# Altium PCB PCB2-v2.PcbDoc (part 6 of 8)
Units mil, origin at the board's own origin, x right, y up, seen from the top; angles counter-clockwise.
Board outline 4330.71 x 4330.71 mil, 2 copper layers (Top Layer, Bottom Layer); 153 components, 127 nets, 575 pads, 933 vias.
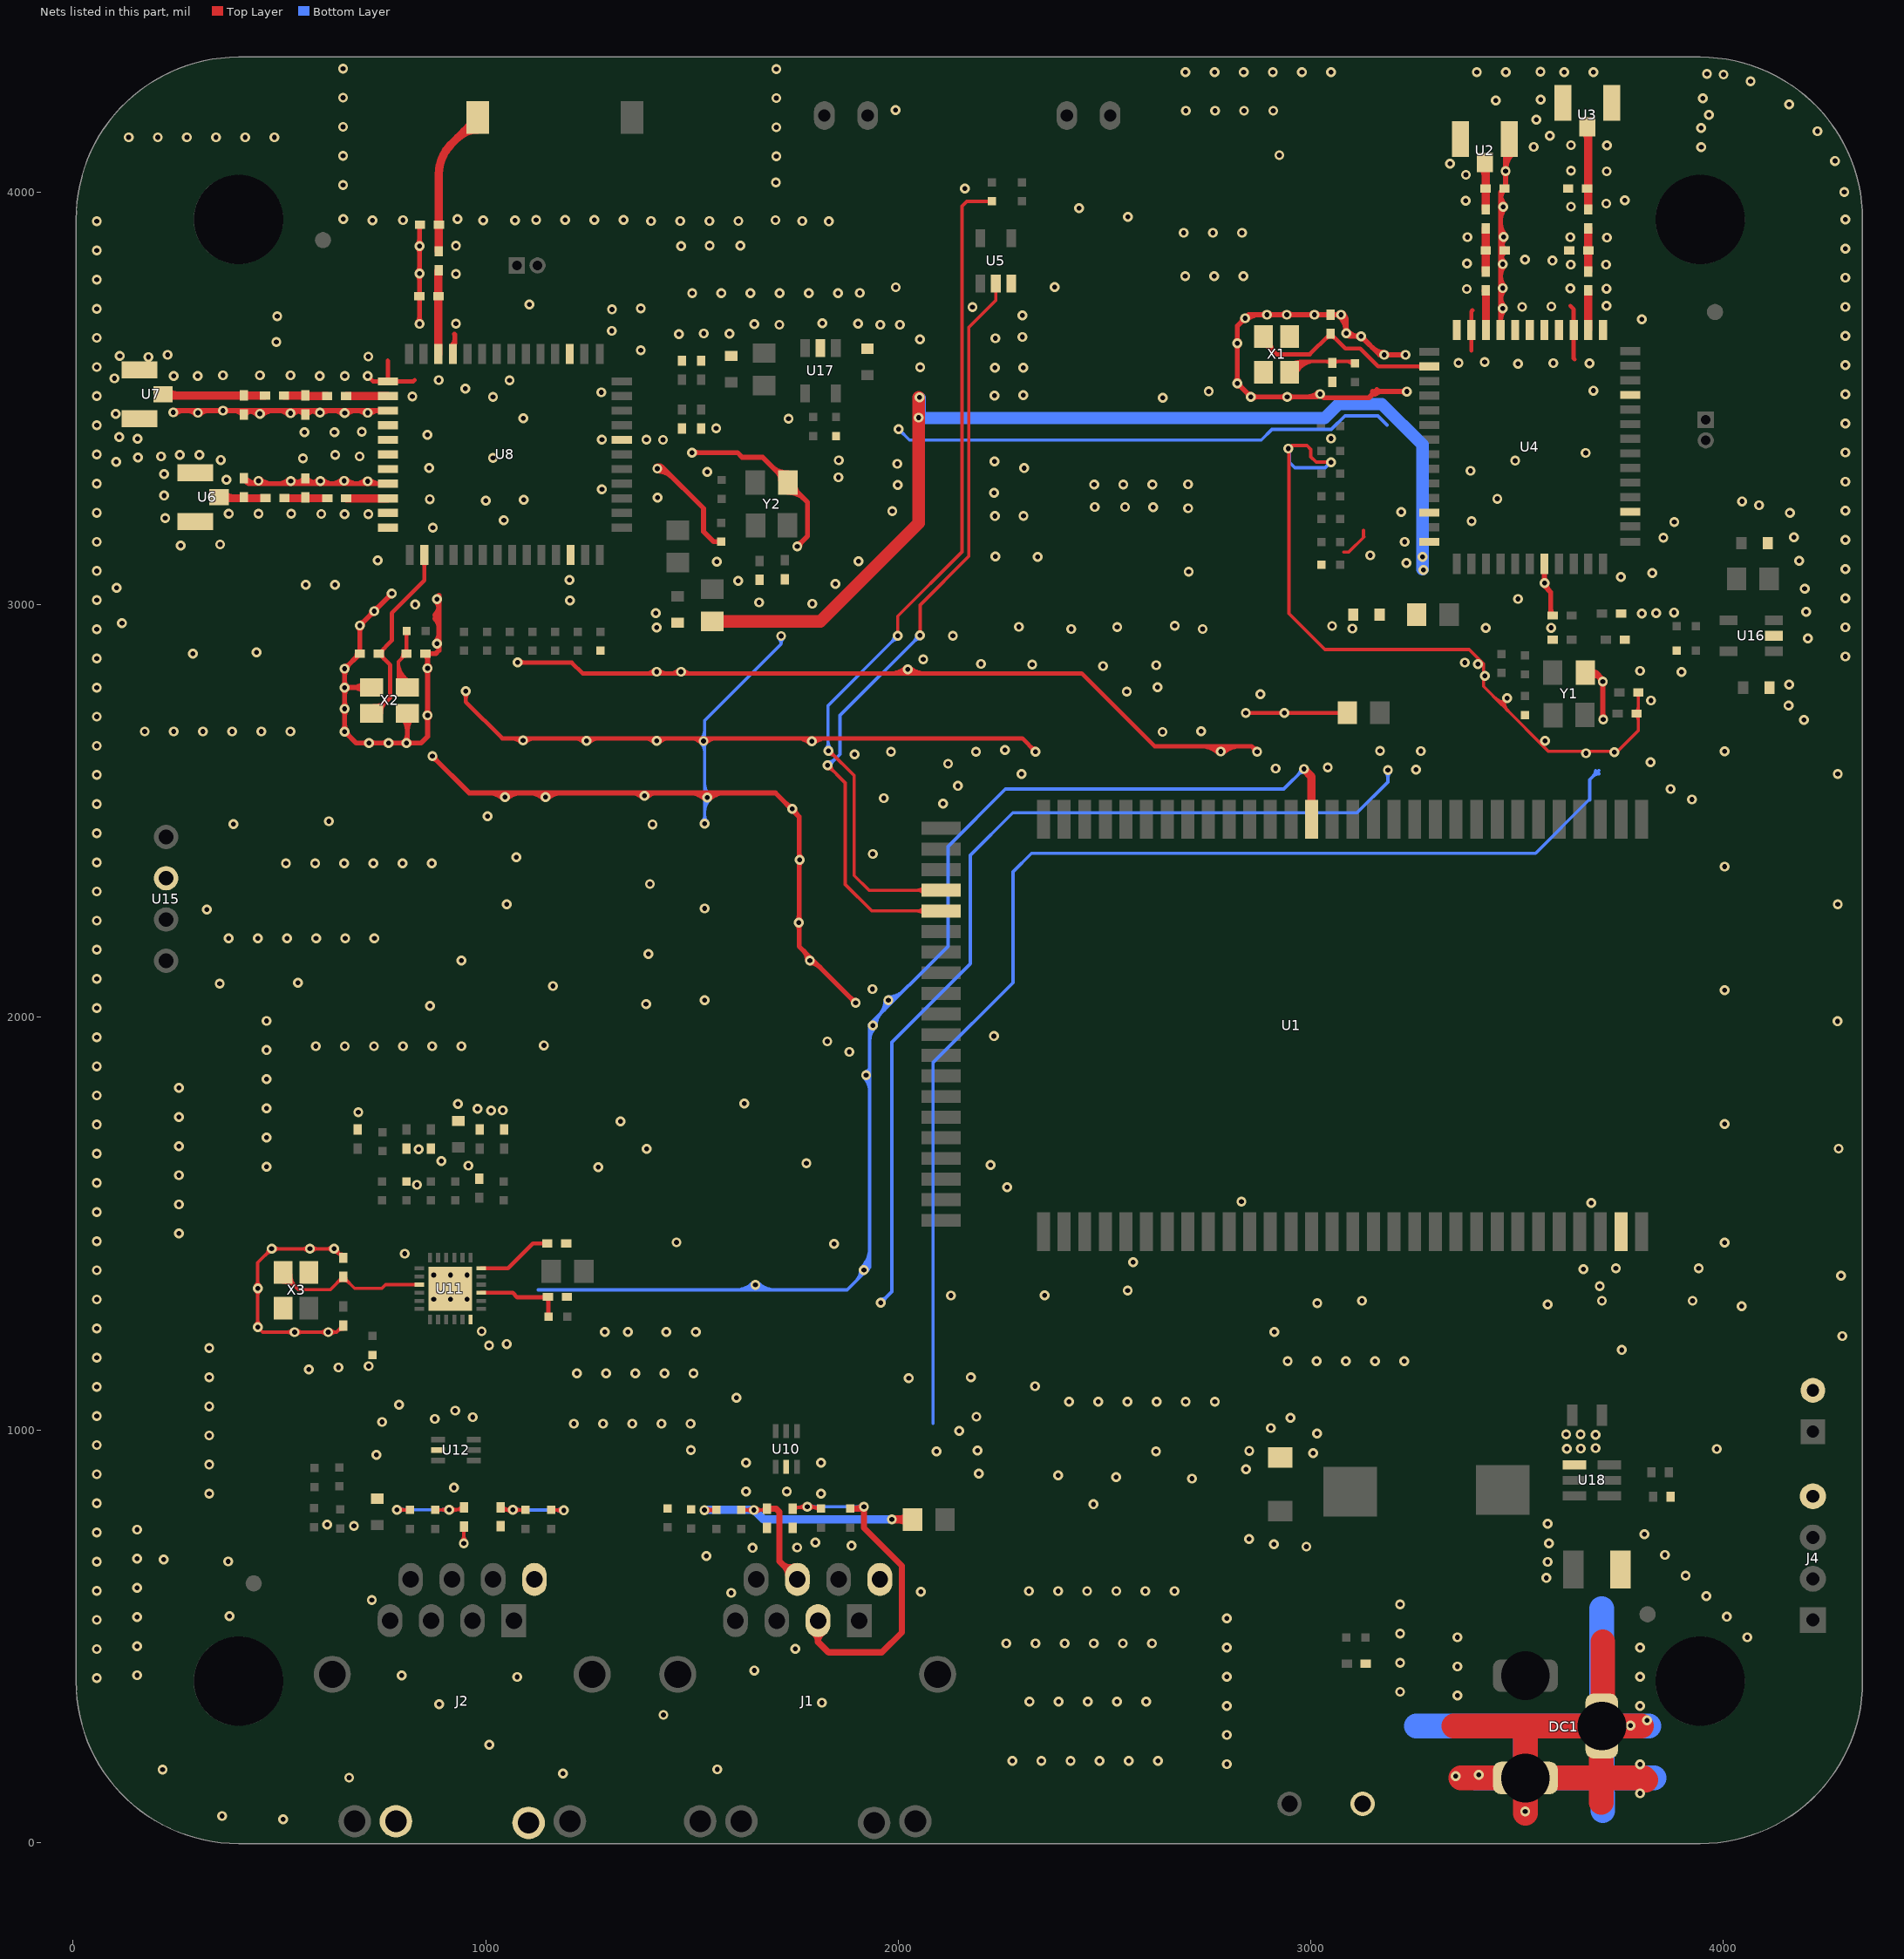
[diagram p6: the nets of this part, all layers, seen from the top]

## Via types
v1: diameter 24, hole 12, Top Layer to Bottom Layer, tented both sides, 931 vias
v2: diameter 78.74, hole 51.18, Top Layer to Bottom Layer, 2 vias

## Nets (pads, with @x,y where several pads share a name; then routed paths per layer and width w, separated by ;. In a path a pad name is that pad's centre, name@x,y a point inside that pad or via, vN(x,y) a via of type N, cw(c..) or ccw(c..) an arc to the next point about the centre after c; other vN are vias at no path point) (continued)
GND: (continued)
  Bottom Layer w8: 1127.4,1339.29 1344.21,1339.29 ; 1344.28,1339.22 1876.02,1339.22 1930.87,1394.07 ; v1(1530.66,2469.68) 1530.66,2719.43 1715.62,2904.39 ; v1@1715.62,2925.91 1715.62,2904.39 ; 1930.85,1880.3 1930.85,1982.59 2120.5,2172.24 2120.5,2414 2259.63,2553.13 2934.68,2553.13 v1(2983.41,2601.86) ; v1(1957.24,1307.95) 1984.22,1334.93 1984.22,1939.35 2174.84,2129.98 2174.84,2392.97 2277.57,2495.69 3112.23,2495.69 3186.99,2570.44 v1(3186.99,2599.54) ; v1(2001.16,3425.35) 2027.34,3399.18 2879.89,3399.18 2905.68,3424.97 3049.63,3424.97 3082.7,3458.04 3162.65,3458.04 3184.88,3435.81 ; 2084.1,1015.94 2084.1,1889.76 2277.98,2083.63 2277.98,2352.48 2323.22,2397.72 3544.81,2397.72 3673.68,2526.59 3676.64,2526.59 3675.96,2527.26 3675.96,2575.95 3698.35,2598.34 ; 2947.89,3366.33 2947.89,3345.43 2961.25,3332.06 3034.53,3332.06 v1@3046.36,3343.89 ; 3690.36,2598.34 cw(c3671.04,2598.34) 3684.7,2584.69 cw(c3698.35,2571.03) 3698.35,2590.34 ; v1@1522.42,2663.98 cw(c1502.52,2644.07) 1530.66,2644.07 ; v1@1522.42,2663.98 cw(c1502.52,2644.07) 1530.66,2644.07 ; v1@1522.42,2663.98 cw(c1502.52,2644.07) 1530.66,2644.07 ; v1@1522.42,2675.29 ccw(c1502.52,2695.19) 1530.66,2695.19 ; v1@1522.42,2675.29 ccw(c1502.52,2695.19) 1530.66,2695.19 ; v1@1522.42,2675.29 ccw(c1502.52,2695.19) 1530.66,2695.19 ; v1@1525,2475.34 ccw(c1511.35,2488.99) 1530.66,2488.99 ; v1@1525,2475.34 ccw(c1511.35,2488.99) 1530.66,2488.99 ; v1@1525,2475.34 ccw(c1511.35,2488.99) 1530.66,2488.99 ; 1530.66,2488.99 ccw(c1549.97,2488.99) v1@1536.32,2475.34 ; 1530.66,2488.99 ccw(c1549.97,2488.99) v1@1536.32,2475.34 ; 1530.66,2488.99 ccw(c1549.97,2488.99) v1@1536.32,2475.34 ; 1530.66,2498.73 cw(c1570.49,2498.73) v1@1542.33,2526.89 ; 1530.66,2498.73 cw(c1570.49,2498.73) v1@1542.33,2526.89 ; 1530.66,2498.73 cw(c1570.49,2498.73) v1@1542.33,2526.89 ; 1530.66,2518.04 cw(c1551.17,2518.04) v1(1536.67,2532.54) ; 1530.66,2518.04 cw(c1551.17,2518.04) v1(1536.67,2532.54) ; 1530.66,2518.04 cw(c1551.17,2518.04) v1(1536.67,2532.54) ; 1530.66,2547.05 ccw(c1551.17,2547.05) v1(1536.67,2532.54) ; 1530.66,2547.05 ccw(c1551.17,2547.05) v1(1536.67,2532.54) ; 1530.66,2547.05 ccw(c1551.17,2547.05) v1(1536.67,2532.54) ; 1530.66,2566.36 ccw(c1570.49,2566.36) v1@1542.33,2538.2 ; 1530.66,2566.36 ccw(c1570.49,2566.36) v1@1542.33,2538.2 ; 1530.66,2566.36 ccw(c1570.49,2566.36) v1@1542.33,2538.2 ; 1530.66,2656.56 cw(c1541.14,2656.56) v1@1533.73,2663.98 ; 1530.66,2656.56 cw(c1541.14,2656.56) v1@1533.73,2663.98 ; 1530.66,2656.56 cw(c1541.14,2656.56) v1@1533.73,2663.98 ; 1530.66,2682.7 ccw(c1541.14,2682.7) v1@1533.73,2675.29 ; 1530.66,2682.7 ccw(c1541.14,2682.7) v1@1533.73,2675.29 ; 1530.66,2682.7 ccw(c1541.14,2682.7) v1@1533.73,2675.29 ; 1605.34,1339.22 ccw(c1605.34,1399.75) v1@1648.14,1356.95 ; 1605.34,1339.22 ccw(c1605.34,1399.75) v1@1648.14,1356.95 ; 1605.34,1339.22 ccw(c1605.34,1399.75) v1@1648.14,1356.95 ; 1624.66,1339.22 ccw(c1624.66,1380.44) v1(1653.8,1351.29) ; 1624.66,1339.22 ccw(c1624.66,1380.44) v1(1653.8,1351.29) ; 1624.66,1339.22 ccw(c1624.66,1380.44) v1(1653.8,1351.29) ; 1642.49,1339.98 ccw(c1644.32,1341.81) 1644.32,1339.22 ; 1642.49,1339.98 ccw(c1644.32,1341.81) 1644.32,1339.22 ; 1642.49,1339.98 ccw(c1644.32,1341.81) 1644.32,1339.22 ; 1643.97,1339.22 ccw(c1643.97,1361.12) v1@1659.46,1345.64 ; 1643.97,1339.22 ccw(c1643.97,1361.12) v1@1659.46,1345.64 ; 1643.97,1339.22 ccw(c1643.97,1361.12) v1@1659.46,1345.64 ; v1@1648.14,1345.64 ccw(c1663.63,1361.12) 1663.63,1339.22 ; v1@1648.14,1345.64 ccw(c1663.63,1361.12) 1663.63,1339.22 ; v1@1648.14,1345.64 ccw(c1663.63,1361.12) 1663.63,1339.22 ; v1(1653.8,1351.29) ccw(c1682.94,1380.44) 1682.94,1339.22 ; v1(1653.8,1351.29) ccw(c1682.94,1380.44) 1682.94,1339.22 ; v1(1653.8,1351.29) ccw(c1682.94,1380.44) 1682.94,1339.22 ; v1@1659.46,1356.95 ccw(c1702.26,1399.75) 1702.26,1339.22 ; v1@1659.46,1356.95 ccw(c1702.26,1399.75) 1702.26,1339.22 ; v1@1659.46,1356.95 ccw(c1702.26,1399.75) 1702.26,1339.22 ; 1663.28,1339.22 ccw(c1663.28,1341.81) 1665.11,1339.98 ; 1663.28,1339.22 ccw(c1663.28,1341.81) 1665.11,1339.98 ; 1663.28,1339.22 ccw(c1663.28,1341.81) 1665.11,1339.98 ; 1715.62,2904.38 cw(c1735.27,2904.38) 1721.68,2918.57 ccw(c1735.27,2904.38) 1715.62,2904.38 ; 1897.59,1360.79 ccw(c1870.83,1387.54) v1@1908.67,1387.54 ; 1897.59,1360.79 ccw(c1870.83,1387.54) v1@1908.67,1387.54 ; 1897.59,1360.79 ccw(c1870.83,1387.54) v1@1908.67,1387.54 ; v1@1911.01,1393.2 ccw(c1863.07,1441.14) 1930.87,1441.14 ; v1@1911.01,1393.2 ccw(c1863.07,1441.14) 1930.87,1441.14 ; v1@1911.01,1393.2 ccw(c1863.07,1441.14) 1930.87,1441.14 ; 1911.24,1374.45 ccw(c1898.15,1387.54) v1(1916.67,1387.54) ; 1911.24,1374.45 ccw(c1898.15,1387.54) v1(1916.67,1387.54) ; 1911.24,1374.45 ccw(c1898.15,1387.54) v1(1916.67,1387.54) ; v1@1916.43,1854.36 cw(c1881.57,1819.5) 1930.87,1819.5 ; v1@1916.43,1854.36 cw(c1881.57,1819.5) 1930.87,1819.5 ; v1@1916.43,1854.36 cw(c1881.57,1819.5) 1930.87,1819.5 ; v1(1916.67,1387.54) ccw(c1882.38,1421.83) 1930.87,1421.83 ; v1(1916.67,1387.54) ccw(c1882.38,1421.83) 1930.87,1421.83 ; v1(1916.67,1387.54) ccw(c1882.38,1421.83) 1930.87,1421.83 ; v1@1920.6,1867.88 ccw(c1918.24,1880.28) 1930.87,1880.28 ; v1@1920.6,1867.88 ccw(c1918.24,1880.28) 1930.87,1880.28 ; v1@1920.6,1867.88 ccw(c1918.24,1880.28) 1930.87,1880.28 ; v1@1921.81,1393.67 ccw(c1926.12,1398.82) 1930.87,1394.07 ; v1@1921.81,1393.67 ccw(c1926.12,1398.82) 1930.87,1394.07 ; v1@1921.81,1393.67 ccw(c1926.12,1398.82) 1930.87,1394.07 ; v1(1922.09,1860.02) cw(c1900.88,1838.81) 1930.87,1838.81 ; v1(1922.09,1860.02) ccw(c1920.08,1870.62) 1930.87,1870.62 ; v1(1922.09,1860.02) ccw(c1920.08,1870.62) 1930.87,1870.62 ; v1(1922.09,1860.02) cw(c1900.88,1838.81) 1930.87,1838.81 ; v1(1922.09,1860.02) ccw(c1920.08,1870.62) 1930.87,1870.62 ; v1(1922.09,1860.02) cw(c1900.88,1838.81) 1930.87,1838.81 ; v1@1922.33,1381.89 ccw(c1901.7,1402.52) 1930.87,1402.52 ; v1@1922.33,1381.89 ccw(c1901.7,1402.52) 1930.87,1402.52 ; v1@1922.33,1381.89 ccw(c1901.7,1402.52) 1930.87,1402.52 ; 1930.87,1394.07 1930.87,1880.28 ; v1(1938.33,1980.48) ccw(c1956.37,1962.44) 1930.85,1962.44 cw(c1956.37,1962.44) v1(1938.33,1980.48) ; v1(1938.33,1980.48) cw(c1961.47,1980.48) 1945.1,1996.85 ccw(c1961.47,1980.48) v1(1938.33,1980.48) ; 1970.89,1321.61 ccw(c1984.55,1307.95) 1965.24,1307.95 cw(c1984.55,1307.95) 1970.89,1321.61 ; 1970.89,1321.61 cw(c1957.24,1335.26) 1957.24,1315.95 ccw(c1957.24,1335.26) 1970.89,1321.61 ; v1(1975.99,2041.56) ccw(c1975.99,2074.93) 1999.59,2051.33 cw(c1975.99,2074.93) v1(1975.99,2041.56) ; v1(1975.99,2041.56) cw(c1942.62,2041.56) 1966.22,2017.96 ccw(c1942.62,2041.56) v1(1975.99,2041.56) ; 2969.75,2588.2 cw(c2983.41,2574.55) v1@2983.41,2593.86 ; 2969.75,2588.2 ccw(c2956.1,2601.86) v1@2975.41,2601.86 ; 2969.75,2588.2 cw(c2983.41,2574.55) v1@2983.41,2593.86 ; 2969.75,2588.2 ccw(c2956.1,2601.86) v1@2975.41,2601.86 ; 2969.75,2588.2 ccw(c2956.1,2601.86) v1@2975.41,2601.86 ; 2969.75,2588.2 cw(c2983.41,2574.55) v1@2983.41,2593.86 ; 2969.75,2588.2 ccw(c2956.1,2601.86) v1@2975.41,2601.86 ; 2969.75,2588.2 cw(c2983.41,2574.55) v1@2983.41,2593.86 ; 3186.99,2580.23 ccw(c3167.67,2580.23) 3181.33,2593.88 cw(c3167.67,2580.23) 3186.99,2580.23 ; 3186.99,2580.23 cw(c3206.3,2580.23) 3192.64,2593.88 ccw(c3206.3,2580.23) 3186.99,2580.23 ; v1@1710.48,2918.69 cw(c1698.08,2906.29) 1715.62,2906.29 ccw(c1698.08,2906.29) v1@1710.48,2918.69 ; 1930.85,1943.12 cw(c1975.69,1943.12) 1943.98,1974.83 ccw(c1975.69,1943.12) 1930.85,1943.12 ; v1@1946.33,1980.48 cw(c1988.78,1980.48) 1958.76,2010.5 ccw(c1988.78,1980.48) v1@1946.33,1980.48 ; 1952.56,2004.31 ccw(c1915.31,2041.56) 1967.99,2041.56 cw(c1915.31,2041.56) 1952.56,2004.31 ; v1@1975.99,2049.56 ccw(c1975.99,2102.24) 2013.25,2064.99 cw(c1975.99,2102.24) v1@1975.99,2049.56
  Bottom Layer w60: 3255.89,282.19 3819.34,282.19 ; v1@3399.75,156.21 3831.89,156.21 ; DC1.3@3520.36,149.54 3520.36,270.15 ; 3705.4,168.25 3707.89,77.37 3705.4,258.71 3705.4,566.83
  other v1: 508.67,55.81 360.67,63.97 3519.65,74.92 3798.47,118.83 668.83,156.99 3351.27,160.89 3407.27,163.8 1187,166.71 216.67,176.21 1561.16,176.99 2796.48,189.69 3798.47,189.46 2276.37,197.36 2347,197.36 2417.62,197.36 2488.25,197.36 2558.88,197.36 2629.51,197.36 1008.83,236.99 2796.48,260.32 3775.27,283.26 3815.27,295.88 1430.81,308.99 2796.48,330.95 3798.47,330.71 887,334.69 1815,338.72 2318.21,341.31 2388.83,341.31 2459.46,341.31 2530.09,341.31 2600.72,341.31 3355.27,355.83 3216.4,364.98 56.98,398.02 1076.03,400.99 3798.47,401.34 2796.48,401.58 154.98,405.13 796.5,404.99 1651,416.67 3355.27,426.46 3216.4,435.6 56.98,468.65 1750.65,468.99 2796.48,472.2 3798.47,471.97 154.98,475.76 2261.97,482.37 2332.6,482.37 2403.23,482.37 2473.86,482.37 2544.49,482.37 2615.11,482.37 3355.27,497.08 4058.48,497.03 3216.4,506.23 56.98,539.27 2796.48,542.83 154.98,546.38 4008.54,546.97 379,548.37 3216.4,576.86 723.77,587.55 3958.6,596.91 1594.75,604.99 2055,607.5 2316.67,609.05 2387.3,609.05 2457.93,609.05 2528.56,609.05 2599.18,609.05 2669.81,609.05 56.98,609.9 154.98,617.01 3571.03,641.03 3908.65,646.85 3574.4,680.03 56.98,680.53 375.87,680.99 219,685.44 154.98,687.64 1535,694.26 3858.71,696.79 1647,713.92 1755,714.68 2989.43,717.03 1887,719.22 2910.4,722.84 3577.11,725.03 1799,726.78 2850.4,735.6 3808.77,746.73 56.98,751.16 154.98,758.27 680.67,767.36 615.89,770.6 3574.4,772.31 2473.43,819.59 56.98,821.79 329.78,845.12 1813.08,844.99 1631,850.47 1729.88,850.61 922.89,859.72 2711.89,881.67 2527.89,885.74 2387.89,889.82 56.98,892.41 2195.41,893.63 2842.67,904.26 329.78,915.75 1631,920.21 1812.77,920.26 734.99,939.62 3005.95,943.71 2092.67,948.09 2624.67,947.58 2850.93,949.21 2191.78,949.63 1497.21,951.22 3620.78,953.89 3983.89,953.54 3654.6,954.61 3690.59,955.58 56.98,963.04 329.78,986.37 3690.59,987.95 3619.09,988.91 3653.87,989.15 3015.13,991.41 2147.77,997.63 2903.22,1004.25 1213.94,1014.94 1284.57,1014.94 1355.19,1014.94 1425.82,1014.94 1496.45,1014.94 748.47,1019.02 876.57,1026.61 2950.92,1029.02 968.61,1030.61 2189.6,1031.89 56.98,1033.67 925.86,1046.61 329.78,1057 790.08,1060.89 2414.22,1067.94 2484.85,1067.94 2555.48,1067.94 2626.1,1067.94 2696.73,1067.94 2767.36,1067.94 1607.89,1078.09 56.98,1104.3 2331.89,1105.74 2025.5,1125.05 329.78,1127.63 2175.91,1127.49 1221.22,1137.03 1291.85,1137.03 1362.47,1137.03 1433.1,1137.03 1503.73,1137.03 571.42,1146.72 642.84,1151.11 716.31,1154.51 2943.81,1166.63 3014.44,1166.63 3085.07,1166.63 3155.7,1166.63 3226.32,1166.63 56.98,1174.93 3753.61,1193.63 329.78,1198.26 1008.17,1204.68 1050.78,1208.11 4288.67,1227.15 536.68,1236.83 618.16,1236.83 1288.85,1237.6 1344.52,1237.6 1437.55,1237.6 1509.14,1237.6 2911.98,1237.63 990.3,1238.98 56.98,1245.55 4044.67,1299.94 3574.49,1303.86 3015.89,1306.85 3124.33,1312.89 3705.74,1312.89 3925.59,1312.89 56.98,1316.18 873.97,1316.3 914.3,1316.3 954.63,1316.3 2127.91,1325.56 2354.81,1326.24 2556.24,1337.63 447.3,1343.29 3700.33,1348.03 4285.54,1373.63 873.97,1375.15 914.3,1375.15 954.63,1375.15 56.98,1386.81 3661,1389.32 3739.65,1391.29 3940.22,1391.29 2569.51,1406.16 803.44,1427.08 573.98,1438.89 1844.56,1450.52 4002.89,1454.01 1462.51,1454.47 56.98,1457.44 256.5,1475.86 56.98,1528.07 256.5,1546.49 3679.89,1549.82 2831.89,1552.99 2263.73,1588.18 833.2,1593.99 56.98,1598.69 256.5,1617.12 1272.67,1636.42 468.49,1638.13 957.83,1640.3 2223.89,1641.89 1777.3,1646.2 892.44,1651.32 56.98,1669.32 837.38,1679.84 1390.09,1681.04 4279.42,1681.63 256.5,1687.75 468.49,1708.76 56.98,1739.95 4002.89,1741.07 1326.59,1747.89 256.5,1758.37 691.1,1770.18 1013.08,1773.89 1041.54,1774.68 468.49,1779.38 980.45,1778.54 932.23,1789.79 1626.46,1790.92 56.98,1810.58 256.5,1829 468.49,1850.01 56.98,1881.21 1881.62,1916.17 468.49,1920.64 587.86,1929.99 658.48,1929.99 729.11,1929.99 799.74,1929.99 870.37,1929.99 941,1929.99 1141.08,1931.89 1828.23,1941.56 56.98,1951.83 2231.89,1954.45 4276.67,1990.35 468.49,1991.27 56.98,2022.46 864.67,2027.95 1388.67,2031.78 1530.66,2041.63 4002.89,2065.72 1937.62,2068.38 1162.59,2075.89 355.25,2081.63 544.67,2083.7 56.98,2093.09 941.26,2137.63 1785.91,2137.63 1394.09,2153.74 56.98,2163.72 376.9,2191.61 447.53,2191.61 518.16,2191.61 588.78,2191.61 659.41,2191.61 730.04,2191.61 1759.05,2229.63 56.98,2234.35 324.05,2261.31 1530.66,2263.81 1051.11,2273.63 4277.38,2273.63 56.98,2304.97 1398.17,2322.92 4002.89,2365.31 515.78,2373.56 586.41,2373.56 657.04,2373.56 727.67,2373.56 798.3,2373.56 868.92,2373.56 56.98,2375.6 1761.07,2381.85 1074.08,2388.15 1938.15,2395.89 56.98,2446.23 1404.29,2467.64 388.67,2468.6 619.89,2475.28 1004.67,2487.46 1743.32,2505.37 56.98,2516.86 2108.67,2518.32 3923.89,2528.13 1964.67,2531.12 1046.68,2533.63 1144.67,2533.63 1384.67,2536.84 3871.89,2553.31 2144.67,2560.94 56.98,2587.49 2298.53,2589.63 4277.38,2589.63 3255.11,2600.21 2915.15,2603.16 3041.08,2605.62 2120.67,2614.61 3823.89,2618.61 1894.32,2637.63 3666.94,2639.89 3735.89,2642.41 1982.24,2643.89 2188.42,2643.89 2781.74,2644.18 3266.6,2645.37 4002.89,2644.89 2258.38,2647.89 56.98,2658.11 717.21,2665.03 764.45,2665.03 807.76,2665.03 1790.36,2668.78 1244.53,2670.2 1414.25,2670.29 1528.07,2669.63 3567.89,2669.85 1090.68,2671.07 2640.67,2691.93 173.32,2692.87 243.95,2692.87 314.58,2692.87 385.21,2692.87 455.84,2692.87 526.46,2692.87 2734.16,2693.63 4195.75,2720.58 3708.93,2721.64 56.98,2728.74 2936.12,2738.06 658.15,2747.7 4158.17,2755.89 3824.76,2767.89 3475.89,2773.94 2877.99,2783.13 2554.05,2789.63 56.98,2799.37 2628.67,2800.21 4159.89,2806.66 3707.89,2813.97 3422.07,2827.89 3898.54,2837.05 1414.18,2837.63 1473.21,2837.63 3798.11,2839.89 2022.91,2843.69 2496.67,2851.48 2625.49,2853.63 2324.67,2854.94 3405.3,2855.89 2200.67,2856.67 3373.23,2859.89 1077.24,2860.42 2060.67,2867.77 56.98,2870 4296.11,2874.64 290.15,2881.63 444.67,2884.77 881.89,2905.89 4205.17,2918.61 1716.14,2924.35 2132.41,2924.75 56.98,2940.63 2419,2941.21 2737.94,2941.21 3100.74,2942.3 3424.08,2944.13 3582.5,2944.19 1414.14,2945 4296.11,2945.27 2530.87,2945.63 2292.67,2946.5 2670.19,2948.82 3051.82,2948.5 118.26,2955.37 3802.28,2978.88 1411.97,2979.54 3837.02,2980.02 3880.31,2981.15 4200.86,2982.61 729.46,2984.37 828.89,3000.53 1791.89,3002.47 1662.65,3005.77 1204.28,3010.1 56.98,3011.25 881.89,3013.89 3502.03,3014.19 4296.11,3015.9 4197.26,3038.61 105.26,3041.36 563.82,3048.18 634.45,3048.18 1847.44,3050.81 3566.58,3052.47 1611.89,3057.62 1203.07,3059.81 3751.81,3067.59 3827.89,3077.26 2704.15,3080.26 56.98,3081.88 4296.11,3086.53 3231.89,3101.53 1559.89,3104.59 1903.48,3105.27 4183.61,3106.61 738.01,3107.89 2337.84,3116.03 2235.27,3116.87 3143.89,3119.7 1755.32,3141.54 260.44,3143.6 356.07,3146.2 56.98,3152.51 3227.89,3152.59 4296.11,3157.16 3854.83,3162.84 4170.89,3163.72 871.89,3186.68 3881.24,3200.64 3389.76,3202.71 1043.89,3204.71 222.89,3209.81 2234.55,3215.01 2303.55,3215.71 601.45,3220.17 658.11,3219.51 715.5,3219.94 377.11,3220.53 449.12,3220.79 528.3,3220.44 56.98,3223.14 4161.34,3222.61 3219.44,3224.63 1985.61,3227.04 4296.11,3227.78 2702.84,3233.93 2617.89,3236.33 2476.05,3237.13 2549.78,3237.13 4086.89,3241.32 4045.66,3250.61 999.89,3252.58 1091.8,3254.61 864.36,3255.89 3452.16,3256.97 1416.64,3259.89 220.59,3264.7 2232.42,3271.54 1281.62,3279.7 1998.56,3290.11 2474.92,3291.66 2545.55,3291.66 2616.18,3291.66 2702.36,3292.09 56.98,3293.77 713.53,3299.29 4296.11,3298.41 449.2,3300.36 527.25,3299.94 599.26,3299.69 656.96,3300.45 371.75,3303.26 1855.31,3309 220.33,3316.79 1537.06,3322.22 3387.05,3324.79 2304.94,3331.27 862.72,3331.89 1997.36,3341.65 104.06,3346.37 2233.48,3347.27 3495.57,3349.21 1855.73,3350.14 357.45,3351.01 557.05,3354.95 1017.61,3355.89 156.98,3357.23 212.98,3359.47 694.43,3359.59 305.87,3363.26 635.18,3363.02 258.38,3363.52 56.98,3364.39 3666.48,3368.2 4296.11,3369.04 2945.74,3378.69 1281.62,3400.28 1389.62,3400.21 1429.84,3399.69 156.22,3402.37 3049.05,3402.9 111.51,3406.37 858.62,3411.89 560.67,3418.12 633.16,3418.12 699.44,3419.16 1558.6,3427.89 56.98,3435.02 4296.11,3439.67 1734.01,3451.26 1091.12,3452.39 103.39,3462.6 452.47,3462.98 526.61,3464.28 302.2,3465.37 658.21,3465 713.8,3465.38 242.87,3466.23 598.12,3466.15 363.32,3470.58 2641.28,3501.63 1017.61,3503.89 2942.89,3503.89 822.15,3504.59 56.98,3505.65 2233.48,3507.26 2303.03,3508.03 4296.11,3510.3 3022.4,3510.83 1279.89,3515.06 2752.67,3517.25 3684.99,3519.02 950.41,3523.89 1057.77,3543.89 886.36,3544.46 100.06,3548.81 597.72,3554.27 243.45,3554.47 301.91,3554.47 658.28,3554.65 362.95,3556.14 452.47,3556.17 526.65,3556.17 2234.55,3574.46 2303.03,3574.54 56.98,3576.28 2053.23,3575.52 4296.11,3580.92 3502.36,3584.06 3675.82,3584.9 3588.26,3585.73 3358.1,3586.57 3421.47,3588.23 182.25,3600.69 715.44,3601.66 112.98,3603.1 228.54,3605.94 3177.89,3605.89 1375.89,3616.6 2821.89,3633.89 492.42,3637.05 2052.67,3643.07 2235.62,3645.92 56.98,3646.91 2300.68,3649.12 4296.11,3651.55 1467.95,3656.31 1591.12,3657.31 1528.62,3657.57 1305.34,3663.89 1711.7,3678.61 1956.53,3678.61 2004.34,3678.61 1650.89,3680.22 1902.89,3681.18 927.85,3681.48 1815.73,3682.13 3802.67,3691.89 2840.7,3694.69 494.51,3699.15 2300.62,3701.15 2893.89,3703.15 2941.89,3703.15 3008.89,3703.15 1306.09,3715.89 56.98,3717.53 3465.61,3718.29 1375.89,3718.5 2179.89,3721.44 3512.45,3722.05 4296.11,3722.18 3583.14,3723.2 3717.05,3724.88 1105.67,3727.89 1500.53,3755.33 1571.15,3755.33 1641.78,3755.33 1712.41,3755.33 1783.04,3755.33 1853.67,3755.33 1906.89,3755.77 3378.34,3765.33 3716.7,3766.27 3628.91,3767.16 3465.62,3767.56 1994.01,3769.63 2379.3,3770.12 56.98,3788.16 4296.11,3792.81 2695.56,3796.51 2766.19,3796.51 2836.82,3796.51 927.78,3801.94 839.26,3802.82 3630.09,3824.47 3715.62,3824.44 3465.58,3825.54 3378.64,3827.11 3585.75,3834.24 3519.04,3836.74 56.98,3858.79 4296.11,3863.44 839.26,3869.75 927.85,3870.15 1473.24,3869.78 1542.65,3870.61 1617.02,3870.61 3718.12,3890.1 3379.51,3891.01 3467.53,3891.38 3629.11,3891.2 2691.87,3901.63 2762.5,3901.63 2833.13,3901.63 1831.89,3929.34 56.98,3929.42 1400.76,3930.29 1471.38,3930.29 1542.01,3930.29 1612.64,3930.29 1767.22,3930.27 725.41,3931.76 799.36,3932.24 993.97,3931.76 1070.82,3931.76 1122.16,3932.84 1192.79,3932.84 1263.42,3932.84 1334.04,3932.84 1702.33,3932.47 4296.11,3934.06 654.34,3935.06 931.26,3935.17 2556.67,3940.15 2438.53,3961.63 3466.64,3964.81 3630.73,3965.16 3716.42,3972.42 3375.49,3979.46 3761.15,3980.23 4293.26,4000.75 2161.52,4008.91 654.17,4017.3 1703.29,4023.6 3376.09,4042.19 3472.22,4050.89 3717.41,4050.68 3630.73,4052.11 3337.49,4069.09 4270.91,4075.87 1704.58,4086.8 654.17,4087.93 2923.7,4089.74 3946.52,4109.18 3540.41,4109.91 3630.7,4114.2 3718.12,4113.48 134.43,4133.17 205.06,4133.17 275.69,4133.17 346.32,4133.17 416.94,4133.17 487.57,4133.17 3579.67,4137.03 4228.07,4147.89 3946.09,4155.54 1704.58,4157.43 654.17,4158.56 3546.84,4175.93 3964.94,4187.36 2697.08,4197.67 2767.71,4197.67 2838.34,4197.67 2908.97,4197.67 1993.78,4199.39 4159.78,4213.08 3448.57,4222.48 3557.19,4224.46 1704.58,4228.05 3950.42,4227.9 654.17,4229.19 4066.03,4268.95 4000.69,4285.1 3960.49,4286.81 2696.09,4291.02 2766.72,4291.02 2837.35,4291.02 2907.98,4291.02 2978.6,4291.02 3049.23,4291.02 3402.37,4291.02 3473,4291.02 3614.26,4291.02 3684.88,4291.02 3556.83,4291.91 1704.58,4298.68 654.17,4299.82